# Altium PCB NixieClock.PcbDoc (part 1 of 2)
Units mm, origin at the board's own origin, x right, y up, seen from the top; angles counter-clockwise.
Board outline 200 x 75 mm, 2 copper layers (Top Layer, Bottom Layer); 186 components, 155 nets, 577 pads, 267 vias.
Unrouted connection lines stored in the file: 1.
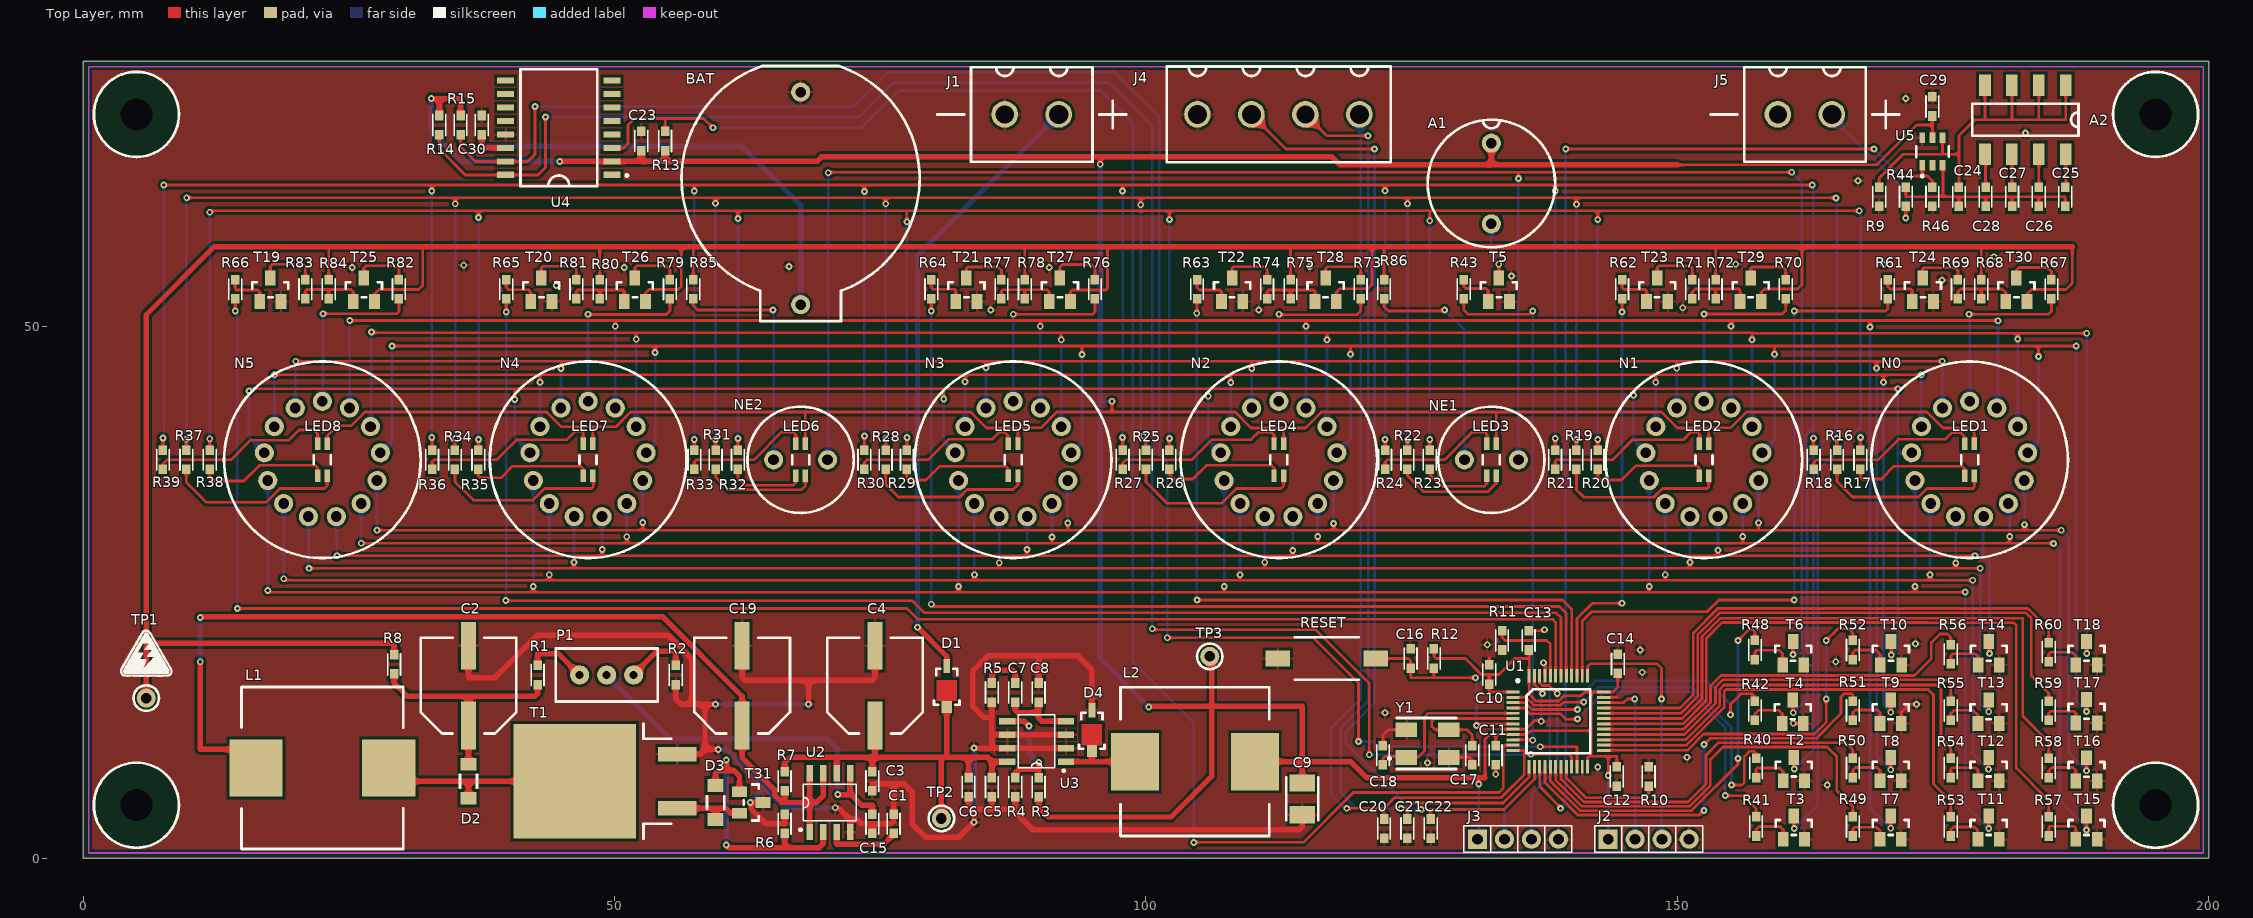
[diagram p0: Top Layer view]
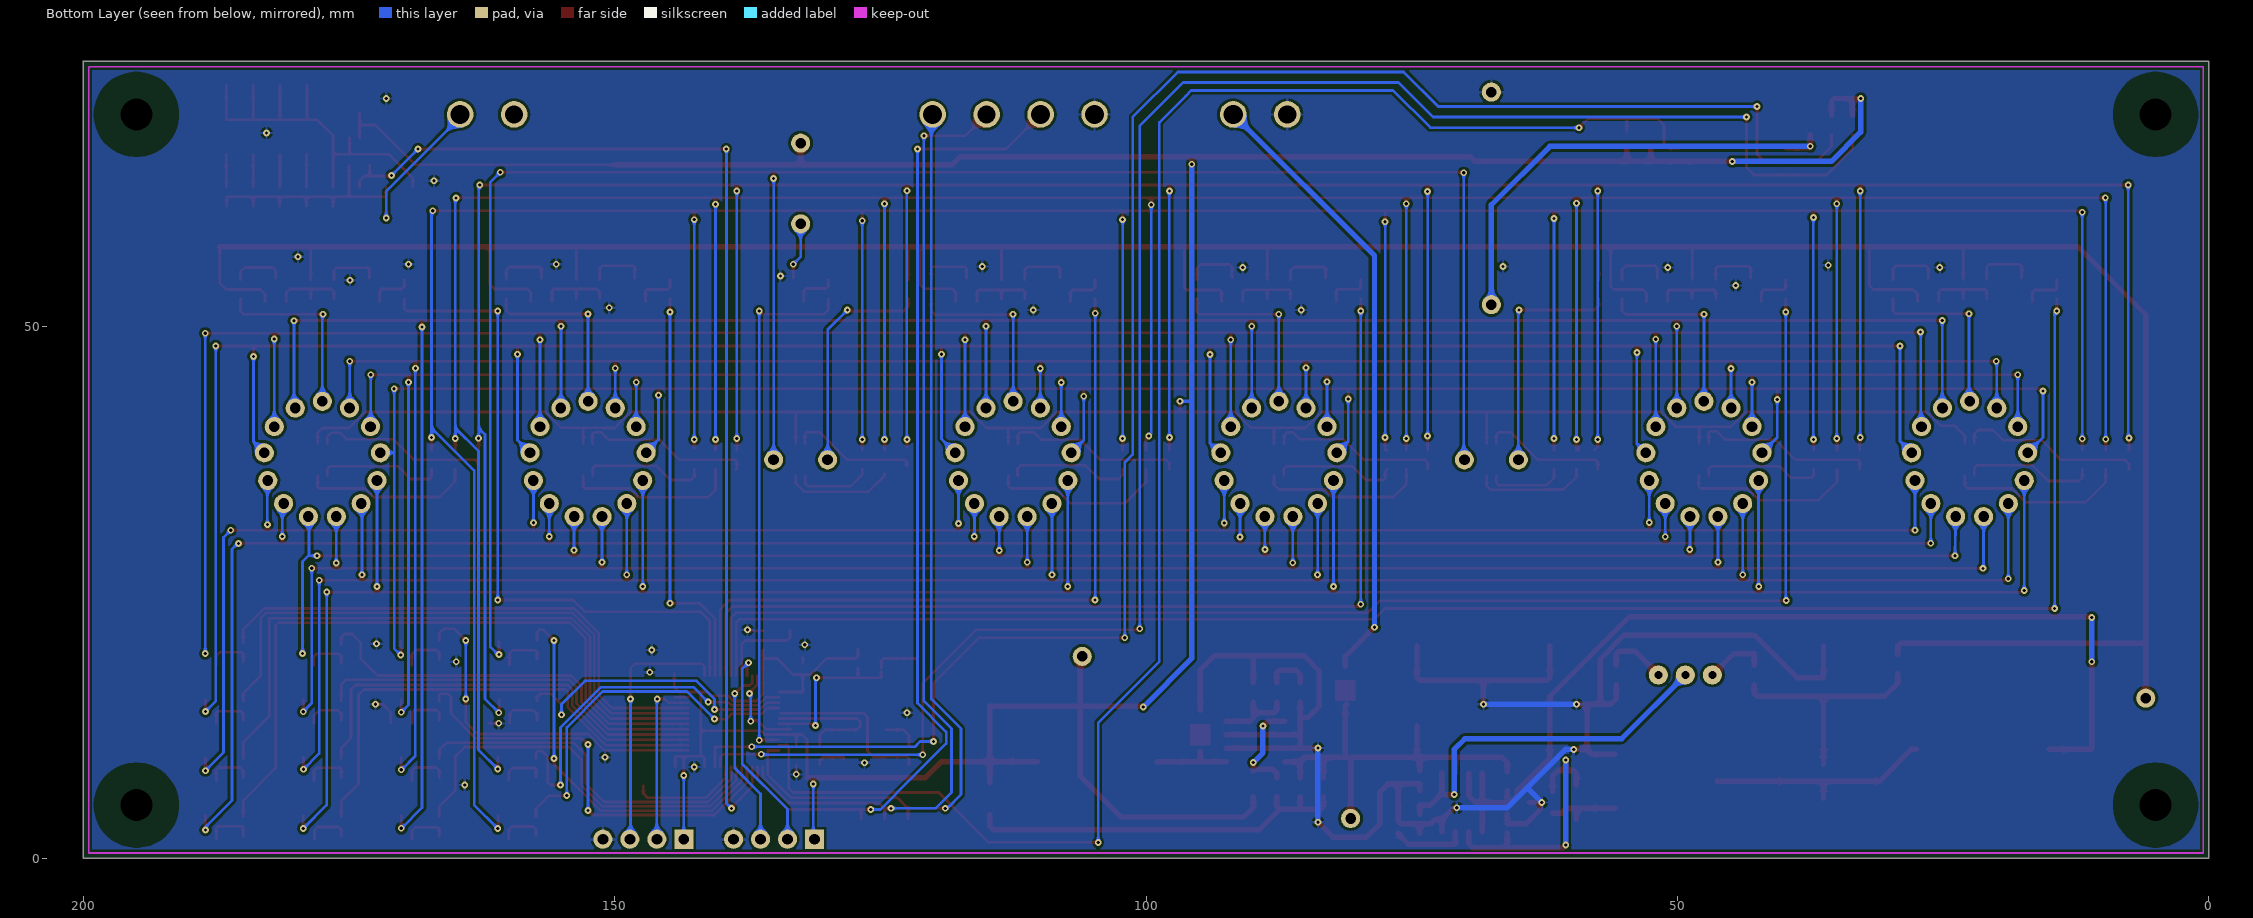
[diagram p1: Bottom Layer view, seen from below]
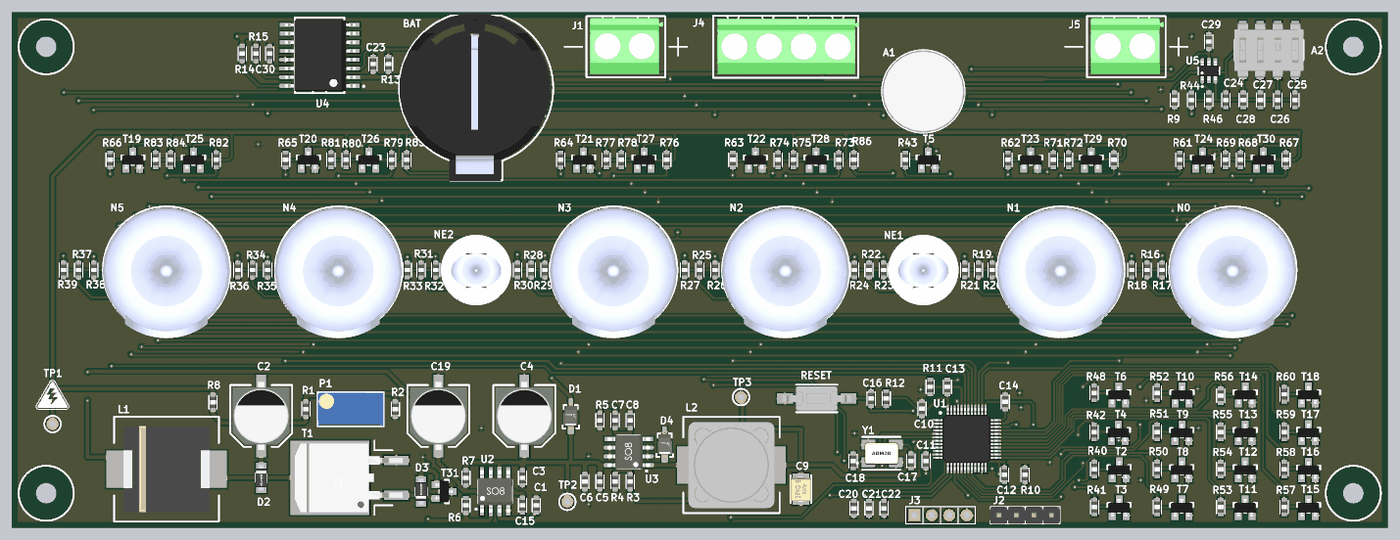
[diagram p3: 3D render of the assembled board from above, using the file's embedded part models]

## Layer stack, top to bottom
Top Solder: solder mask 0.0102, Solder Resist, Dk 3.5
Top Layer: signal copper 0.0356
Dielectric 1: dielectric 0.32, FR-4, Dk 4.8
Bottom Layer: signal copper 0.0356
Bottom Solder: solder mask 0.0102, Solder Resist, Dk 3.5

## Board outline
0,0 0,75 200,75 200,0

## Design rules (kind name [scope] priority, off if disabled: settings)
Clearance Polygon [InNamedPolygon('GND_T') Or  InNamedPolygon('GND_B')] p1: gap=0.254 ignorepadtopadclearanceinfootprint=FALSE
Clearance Clearance_2 [InNamedPolygon('GND_T')] p2: gap=0.254 ignorepadtopadclearanceinfootprint=FALSE except(0: Arc-Hole Track-Hole SMDPad-Hole THPad-Hole Via-Hole Fill-Hole Poly-Hole Region-Hole Text-Hole)
Clearance Clearance_1 [InNamedPolygon('GND_B')] p3: gap=0.254 ignorepadtopadclearanceinfootprint=FALSE except(0: Arc-Hole Track-Hole SMDPad-Hole THPad-Hole Via-Hole Fill-Hole Poly-Hole Region-Hole Text-Hole)
Clearance [All] p4: gap=0.152 ignorepadtopadclearanceinfootprint=FALSE except(0: Arc-Hole Track-Hole SMDPad-Hole THPad-Hole Via-Hole Fill-Hole Poly-Hole Region-Hole Text-Hole)
ComponentClearance [All] p1: gap=-0.254 collisioncheckmode=3 verticalgap=2540 showdistances=FALSE
Height [All] p1: minheight=0 maxheight=254 prefheight=12.7
HoleSize [All] p1: absolutevalues=TRUE maxlimit=5 minlimit=0.3 maxpercent=80.000 minpercent=20.000
PolygonConnect PolygonConnect_1 [All vs IsNamedPolygon('GND_T')] p1: connectstyle=Relief reliefconductorwidth=0.254 reliefentries=4 polygonreliefangle="90 Angle" airgapwidth=0.254
PolygonConnect [All] p2: connectstyle=Relief reliefconductorwidth=0.254 reliefentries=4 polygonreliefangle="90 Angle" airgapwidth=0.254
RoutingVias [All] p1: holewidth=0.305 width=0.635 viastyle="Through Hole" minholewidth=0.305 minwidth=0.635 maxholewidth=0.305 maxwidth=0.635
SolderMaskExpansion [All] p1: expansion=0.102
Width [All] p1: maxlimit=0.508 minlimit=0.152 preferedwidth=0.254 minimp=50.000000 maximp=50.000000 favimp=50.000000 checkconnectedcopper=TRUE
27 further rules are at their usual default settings.

## Classes and differential pairs
component class Sheet3: N0 N1 N2 N3 N4 N5 NE1 NE2 R48 R49 R50 R51 R52 R53 R54 R55 R56 R57 R58 R59 R60 R61 R62 R63 R64 R65 R66 R67 R68 R69 R70 R71 R72 R73 R74 R75 R76 R77 R78 R79 R80 R81 R82 R83 R84 R85 R86 T6 T7 T8 T9 T10 T11 T12 T13 T14 T15 T16 T17 T18 T19 T20 T21 T22 T23 T24 T25 T26 T27 T28 T29 T30
component class Sheet2: A1 A2 C20 C21 C22 C23 C24 C25 C26 C27 C28 C29 C30 J3 J4 J5 LED1 LED2 LED3 LED4 LED5 LED6 LED7 LED8 R9 R13 R14 R15 R16 R17 R18 R19 R20 R22 R23 R24 R25 R26 R27 R28 R29 R30 R31 R32 R33 R34 R35 R36 R37 R38 R39 R40 R41 R42 R43 R44 R46 T2 T3 T4 T5 U4
component class Sheet1: BAT C1 C2 C3 C4 C5 C6 C7 C8 C9 C10 C11 C12 C13 C14 C15 C16 C17 C18 C19 D1 D2 D3 D4 J1 J2 L1 L2 P1 R1 R2 R3 R4 R5 R6 R7 R8 R10 R11 R12 RESET T1 T31 TP1 TP2 TP3 U1 U2 U3 Y1

## Components (designator, comment, footprint, x,y, rotation, side; value= is the part's Value field where it differs from the comment)
A1 "BUZZER" BUZZER 132.5,63.5 r0 top
A2 "DIP-SWITCHx4" DIP-SWITCH-X4-J-BEND 182.75,69.5 r180 top
BAT "3V" HOLDER-2032 67.5,63.95 r270 top
C1 "1nF 16V C0G" 0603 76.25,3.25 r270 top
C2 "2.2uF  400V" CAP-SIZE-F 36.25,16.25 r180 top
C3 "100nF 16V C0G" 0603 74.25,7.25 r90 top
C4 "10uF  100V" CAP-SIZE-F 74.5,16.25 r180 top
C5 "100nF 16V Y5R" 0603 85.5,6.7 r90 top
C6 "10uF 16V Y5R" 0603 83.3,6.7 r90 top
C7 "15nF 16V Y5R" 0603 87.7,15.6 r270 top
C8 "100pF 16V C0G" 0603 89.9,15.6 r270 top
C9 "47uF  4V" AVX-B-CASE 114.7,5.6 r270 top
C10 "100nF 16V Y5R" 0603 132.3,17.3 r90 top
C11 "100nF 16V Y5R" 0603 132.9,9.7 r270 top
C12 "100nF 16V Y5R" 0603 144.3,7.7 r270 top
C13 "100nF 16V Y5R" 0603 136,20.5 r90 top
C14 "100nF 16V Y5R" 0603 144.4,18.3 r90 top
C15 "10nF 16V C0G" 0603 74.25,3.25 r90 top
C16 "1uF 16V Y5R" 0603 124.9,18.8 r270 top
C17 "20pF 16V C0G" 0603 130.7,9.7 r90 top
C18 "20pF 16V C0G" 0603 122.3,9.7 r270 top
C19 "220uF  50V" CAP-SIZE-F 62,16.25 r180 top
C20 "1uF 16V Y5R" 0603 122.4,2.8 r90 top
C21 "1uF 16V Y5R" 0603 124.6,2.8 r90 top
C22 "1uF 16V Y5R" 0603 126.8,2.8 r90 top
C23 "100nF 16V Y5R" 0603 52.5,67.5 r270 top
C24 "10nF 16V Y5R" 0603 176.5,62.25 r90 top
C25 "10nF 16V Y5R" 0603 186.5,62.25 r90 top
C26 "10nF 16V Y5R" 0603 184,62.25 r90 top
C27 "10nF 16V Y5R" 0603 181.5,62.25 r90 top
C28 "10nF 16V Y5R" 0603 179,62.25 r90 top
C29 "100nF 16V Y5R" 0603 174,70.75 r90 top
C30 "100nF 16V Y5R" 0603 37.5,69 r270 top
D1 "STPS1L20MF" DO-222AA 81.25,16.25 r270 top
D2 "US1GWF-7" SOD-123F 36.25,7.25 r270 top
D3 "BAV16W-7-F" SOD-123F 59.5,5.25 r90 top
D4 "STPS1L20MF" DO-222AA 94.9,12.1 r270 top
J1 "Vin" BORNERAX2 89.25,70 r180 top
J2 "JTAG" PIN-HEADERx4 147.3,1.8 r0 top
J3 "GPIO" PIN-HEADERx4- 135,1.8 r0 top
J4 "BUTTONS" BORNERAx4 112.46,70 r180 top
J5 "ELECTRODE" BORNERAx2 162,70 r180 top
L1 "220uH  20%" DRA127 22.5,8.5 r0 top
L2 "150uH  10%" SRR1240 104.6,9.1 r0 top
LED1 "RGB" 1205-RGB 177.5,37.5 r90 top
LED2 "RGB" 1205-RGB 152.5,37.5 r90 top
LED3 "RGB" 1205-RGB 132.5,37.5 r90 top
LED4 "RGB" 1205-RGB 112.5,37.5 r90 top
LED5 "RGB" 1205-RGB 87.5,37.5 r90 top
LED6 "RGB" 1205-RGB 67.5,37.5 r90 top
LED7 "RGB" 1205-RGB 47.5,37.5 r90 top
LED8 "RGB" 1205-RGB 22.5,37.5 r90 top
N0 "NIXIE-IN14" NIXIE_IN-14 177.5,37.5 r0 top locked
N1 "NIXIE-IN14" NIXIE_IN-14 152.5,37.5 r0 top locked
N2 "NIXIE-IN14" NIXIE_IN-14 112.5,37.5 r0 top locked
N3 "NIXIE-IN14" NIXIE_IN-14 87.5,37.5 r0 top locked
N4 "NIXIE-IN14" NIXIE_IN-14 47.5,37.5 r0 top locked
N5 "NIXIE-IN14" NIXIE_IN-14 22.5,37.5 r0 top locked
NE1 "NEON-LAMP" NIXIE_IN-3 132.5,37.5 r90 top locked
NE2 "NEON-LAMP" NIXIE_IN-3 67.5,37.5 r90 top locked
P1 "500Ω   25N" 3296W 49.25,17.25 r180 top
R1 "680KΩ   1%" 0603 42.75,17.25 r270 top
R2 "4.53KΩ   1%" 0603 55.75,17.25 r90 top
R3 "9.1KΩ   1%" 0603 89.9,6.7 r270 top
R4 "5.49KΩ   1%" 0603 87.7,6.7 r270 top
R5 "13KΩ   1%" 0603 85.5,15.6 r90 top
R6 "1KΩ   1%" 0603 66,3.25 r270 top
R7 "10mΩ   1%" 0603 66,7.25 r270 top
R8 "1Ω   1%" 0603 29.25,18.25 r90 top
R9 "1MΩ   1%" 0603 169,62.25 r270 top
R10 "10KΩ   1%" 0603 147.3,7.7 r270 top
R11 "10KΩ   1%" 0603 133.5,20.5 r90 top
R12 "10KΩ   1%" 0603 127.1,18.8 r90 top
R13 "4.7KΩ   1%" 0603 54.75,67.5 r270 top
R14 "4.7KΩ   1%" 0603 33.5,69 r90 top
R15 "4.7KΩ   1%" 0603 35.5,69 r90 top
R16 "400Ω   1%" 0603 165.025,37.5 r270 top
R17 "700Ω   1%" 0603 167.225,37.5 r270 top
R18 "175Ω   1%" 0603 162.825,37.5 r270 top
R19 "400Ω   1%" 0603 140.5,37.5 r270 top
R20 "700Ω   1%" 0603 142.5,37.5 r270 top
R21 "175Ω   1%" 0603 138.5,37.5 r270 top
R22 "400Ω   1%" 0603 124.6,37.5 r270 top
R23 "700Ω   1%" 0603 126.7,37.5 r270 top
R24 "175Ω   1%" 0603 122.5,37.5 r270 top
R25 "400Ω   1%" 0603 100,37.5 r270 top
R26 "700Ω   1%" 0603 102.2,37.5 r270 top
R27 "175Ω   1%" 0603 97.8,37.5 r270 top
R28 "400Ω   1%" 0603 75.5,37.5 r270 top
R29 "700Ω   1%" 0603 77.5,37.5 r270 top
R30 "175Ω   1%" 0603 73.5,37.5 r270 top
R31 "400Ω   1%" 0603 59.5,37.5 r270 top
R32 "700Ω   1%" 0603 61.6,37.5 r270 top
R33 "175Ω   1%" 0603 57.5,37.5 r270 top
R34 "400Ω   1%" 0603 34.975,37.5 r270 top
R35 "700Ω   1%" 0603 37.175,37.5 r270 top
R36 "175Ω   1%" 0603 32.825,37.5 r270 top
R37 "400Ω   1%" 0603 9.7,37.5 r270 top
R38 "700Ω   1%" 0603 11.9,37.5 r270 top
R39 "175Ω   1%" 0603 7.5,37.5 r270 top
R40 "33KΩ   1%" 0603 157.4,8.5 r270 top
R41 "33KΩ   1%" 0603 157.4,3 r270 top
R42 "33KΩ   1%" 0603 157.3,13.9 r270 top
R43 "33KΩ   1%" 0603 129.9,53.55 r270 top
R44 "10KΩ   1%" 0603 171.5,62.25 r90 top
R46 "10KΩ   1%" 0603 174,62.25 r90 top
R48 "33KΩ   1%" 0603 157.3,19.6 r270 top
R49 "33KΩ   1%" 0603 166.514,3 r270 top
R50 "33KΩ   1%" 0603 166.514,8.5 r270 top
R51 "33KΩ   1%" 0603 166.514,13.9 r270 top
R52 "33KΩ   1%" 0603 166.514,19.6 r270 top
R53 "33KΩ   1%" 0603 175.728,3 r270 top
R54 "33KΩ   1%" 0603 175.728,8.5 r270 top
R55 "33KΩ   1%" 0603 175.728,13.9 r270 top
R56 "33KΩ   1%" 0603 175.728,19.2 r270 top
R57 "33KΩ   1%" 0603 184.942,3 r270 top
R58 "33KΩ   1%" 0603 184.942,8.5 r270 top
R59 "33KΩ   1%" 0603 184.942,13.9 r270 top
R60 "33KΩ   1%" 0603 184.942,19.4 r270 top
R61 "33KΩ   1%" 0603 169.8,53.55 r90 top
R62 "33KΩ   1%" 0603 144.8,53.55 r270 top
R63 "33KΩ   1%" 0603 104.8,53.55 r270 top
R64 "33KΩ   1%" 0603 79.8,53.55 r90 top
R65 "33KΩ   1%" 0603 39.8,53.55 r270 top
R66 "33KΩ   1%" 0603 14.3,53.55 r270 top
R67 "10KΩ   1%" 0603 185.2,53.55 r90 top
R68 "100KΩ   1%" 0603 178.6,53.55 r90 top
R69 "470KΩ   1%" 0603 176.4,53.55 r270 top
R70 "10KΩ   1%" 0603 160.2,53.55 r90 top
R71 "470KΩ   1%" 0603 151.4,53.55 r270 top
R72 "100KΩ   1%" 0603 153.6,53.55 r90 top
R73 "10KΩ   1%" 0603 120.2,53.55 r90 top
R74 "470KΩ   1%" 0603 111.4,53.55 r270 top
R75 "100KΩ   1%" 0603 113.6,53.55 r90 top
R76 "10KΩ   1%" 0603 95.2,53.55 r90 top
R77 "470KΩ   1%" 0603 86.4,53.55 r270 top
R78 "100KΩ   1%" 0603 88.6,53.55 r90 top
R79 "10KΩ   1%" 0603 55.2,53.55 r90 top
R80 "100KΩ   1%" 0603 48.6,53.55 r90 top
R81 "470KΩ   1%" 0603 46.4,53.55 r270 top
R82 "10KΩ   1%" 0603 29.7,53.55 r90 top
R83 "470KΩ   1%" 0603 20.9,53.55 r270 top
R84 "100KΩ   1%" 0603 23.1,53.55 r90 top
R85 "100KΩ   1%" 0603 57.4,53.55 r90 top
R86 "100KΩ   1%" 0603 122.4,53.55 r90 top
RESET "RESET" FSMSM 117,18.8 r180 top
T1 "IRF644" TO263-3S 51.325,7.25 r90 top
T2 "PZTA42" SOT-23 160.958,8.4 r0 top
T3 "PZTA42" SOT-23 160.958,2.9 r0 top
T4 "PZTA42" SOT-23 160.858,13.8 r0 top
T5 "PZTA42" SOT-23 133.2,53.5 r0 top
T6 "PZTA42" SOT-23 160.9,19.3 r0 top
T7 "PZTA42" SOT-23 170.072,2.9 r0 top
T8 "PZTA42" SOT-23 170.072,8.4 r0 top
T9 "PZTA42" SOT-23 170.072,13.8 r0 top
T10 "PZTA42" SOT-23 170.1,19.3 r0 top
T11 "PZTA42" SOT-23 179.286,2.9 r0 top
T12 "PZTA42" SOT-23 179.286,8.4 r0 top
T13 "PZTA42" SOT-23 179.286,13.8 r0 top
T14 "PZTA42" SOT-23 179.3,19.3 r0 top
T15 "PZTA42" SOT-23 188.5,2.9 r0 top
T16 "PZTA42" SOT-23 188.5,8.367 r0 top
T17 "PZTA42" SOT-23 188.5,13.833 r0 top
T18 "PZTA42" SOT-23 188.5,19.3 r0 top
T19 "PZTA42" SOT-23 17.6,53.5 r0 top
T20 "PZTA42" SOT-23 43.1,53.5 r0 top
T21 "PZTA42" SOT-23 83.1,53.5 r0 top
T22 "PZTA42" SOT-23 108.1,53.5 r0 top
T23 "PZTA42" SOT-23 148.1,53.5 r0 top
T24 "PZTA42" SOT-23 173.1,53.5 r0 top
T25 "PZTA92" SOT-23 26.4,53.5 r0 top
T26 "PZTA92" SOT-23 51.9,53.5 r0 top
T27 "PZTA92" SOT-23 91.9,53.5 r0 top
T28 "PZTA92" SOT-23 116.9,53.5 r0 top
T29 "PZTA92" SOT-23 156.9,53.5 r0 top
T30 "PZTA92" SOT-23 181.9,53.5 r0 top
T31 "PZTA92" SOT-23 62.85,5.25 r270 top
TP1 "HV-TEST-POINT" Test_Point_HV 5.925,15.075 r0 top
TP2 "TEST-POINT" Test_Point 80.75,3.75 r0 top
TP3 "TEST-POINT" Test_Point 106,19 r0 top
U1 "STM32F103C8T6" LQFP48 138.8,12.9 r270 top
U2 "MC34063" SOIC-8 70.25,5.25 r0 top
U3 "A5972D" SOIC-8 89.7,11 r90 top
U4 "DS3231" SO16W 44.75,68.75 r90 top
U5 "AT42QT1012" SOT-23-6 174,66.5 r0 top
Y1 "ABM3B-8MHz" ABM3B 126.4,10.8 r0 top

## Footprints (in the part's own frame and the unit in brackets; to place one, negate y for a bottom-side part, rotate by r counter-clockwise, add the part's x,y. Pads: shape width x height; smd on the part's side, far side on the other; paste and mask are expansions set on the pad)
0603 [mm]
  rect 0.9x0.8 smd: 1(-0.9,0) 2(0.9,0)
  silkscreen extent -1,-0.6 1,0.6, body extent -0.8,-0.43 0.8,0.43, height 0.83
1205-RGB [mm]
  rect 1.2x0.5 smd: 1(-1.5,-0.45) 2(1.5,-0.45) 3(1.5,0.45) 4(-1.5,0.45)
  silkscreen extent -0.4,-0.8 0.4,0.8, body extent -1.59,-0.81 1.61,0.79, height 1.1
3296W [mm]
  round 1.8 hole 0.75: 1(-2.54,0) 2(0,0) 3(2.54,0)
  silkscreen extent -4.8,-2.5 4.8,2.5, body extent -4.76,-2.4 4.76,2.43, height 11.55
ABM3B [mm]
  rect 2x1.4 smd: 1(-1.9,-1.3) 2(2.1,1.3) 3(-1.9,1.3) 3(2.1,-1.3)
  silkscreen extent -3.6,-2.4 2.8,2.4, body extent -2.47,-1.63 2.53,1.57, height 1.2
AVX-B-CASE [mm]
  rect 1.6x2.4 smd: 1(1.5,0) 2(-1.5,0)
  silkscreen extent -2,-1.5 2,1.5, body extent -1.85,-1.47 1.85,1.47, height 2.03
BORNERAX2 [mm]
  round 2.5 hole 1.8: 1(-2.54,0)
  round 2.5 hole 1.7: 2(2.54,0)
  silkscreen extent -8.89,-4.45 8.89,4.45, body extent -5.4,-4.15 5.17,4, height 10
BORNERAx2 [mm]
  round 2.5 hole 1.8: 1(-2.54,0)
  round 2.5 hole 1.7: 2(2.54,0)
  silkscreen extent -8.89,-4.45 8.89,4.45, body extent -5.4,-4.15 5.17,4, height 10
BORNERAx4 [mm]
  round 2.5 hole 1.8: 1(-7.62,0) 3(2.54,0) 4(7.62,0)
  round 2.5 hole 1.7: 2(-2.54,0)
  silkscreen extent -10.58,-4.5 10.5,4.5, body extent -10.69,-4.1 9.89,4.05, height 10
BUZZER [mm]
  round 1.8 hole 1: 1(0,3.8) 2(0,-3.8)
  silkscreen extent -6,-6 6,6, body extent -5.99,-6 5.99,6, height 7.5
CAP-SIZE-F [mm]
  rect 1.4x4.5 smd: 1(0,-3.75) 2(0,3.75)
  silkscreen extent -4.5,-4.5 4.5,4.5, body extent -4.15,-4.95 4.15,4.95, height 10.21
DIP-SWITCH-X4-J-BEND [mm]
  rect 1.1x2 smd: 1(-3.81,-3.25) 2(-1.27,-3.25) 3(1.27,-3.25) 4(3.81,-3.25) 5(3.81,3.25) 6(1.27,3.25) 7(-1.27,3.25) 8(-3.81,3.25)
  silkscreen extent -5,-1.5 5,1.5, body extent -5.03,-3.93 5.03,3.93, height 3.4
DO-222AA [mm]
  rect 1.35x0.65 smd: 1(-1.84,0)
  rect 1.15x0.95 smd: 2(2,0)
  Top Layer region: -0.535,-0.975 1.465,-0.975 1.465,0.975 -0.535,0.975
  silkscreen extent -1.6,-1.2 1.8,1.2, body extent -1.9,-0.95 1.9,0.95, height 0.85
DRA127 [mm]
  rect 5x5.4 smd: 1(-6.25,0) 2(6.25,0)
  silkscreen extent -7.62,-7.62 7.62,7.62, body extent -6.25,-6.25 6.25,6.25, height 8
FSMSM [mm]
  rect 2.3x1.5 smd: 1(-4.6,0) 2(4.6,0)
  silkscreen extent -3,-2 3,2, body extent -4.98,-1.75 4.98,1.75, height 4.4
HOLDER-2032 [mm]
  round 1.8 hole 1: 1(11.85,0) 2(-8.15,0)
  silkscreen extent -10.61,-11.2 13.4,11.2, body extent -11,-11.2 13.5,10.8, height 8.5
LQFP48 [mm]
  rect 0.28x1.25 smd: 1(-2.75,-4.274) 2(-2.25,-4.274) 3(-1.75,-4.274) 4(-1.25,-4.274) 5(-0.75,-4.274) 6(-0.25,-4.274) 7(0.25,-4.274) 8(0.75,-4.274) 9(1.25,-4.274) 10(1.75,-4.274) 11(2.25,-4.274) 12(2.75,-4.274) 25(2.75,4.274) 26(2.25,4.274) 27(1.75,4.274) 28(1.25,4.274) 29(0.75,4.274) 30(0.25,4.274) 31(-0.25,4.274) 32(-0.75,4.274) 33(-1.25,4.274) 34(-1.75,4.274) 35(-2.25,4.274) 36(-2.75,4.274)
  rect 1.25x0.28 smd: 13(4.274,-2.75) 14(4.274,-2.25) 15(4.274,-1.75) 16(4.274,-1.25) 17(4.274,-0.75) 18(4.274,-0.25) 19(4.274,0.25) 20(4.274,0.75) 21(4.274,1.25) 22(4.274,1.75) 23(4.274,2.25) 24(4.274,2.75) 37(-4.274,2.75) 38(-4.274,2.25) 39(-4.274,1.75) 40(-4.274,1.25) 41(-4.274,0.75) 42(-4.274,0.25) 43(-4.274,-0.25) 44(-4.274,-0.75) 45(-4.274,-1.25) 46(-4.274,-1.75) 47(-4.274,-2.25) 48(-4.274,-2.75)
  silkscreen extent -3.94,-3.94 3,3, body extent -4.5,-4.5 4.5,4.5, height 1.6
NIXIE_IN-3 [mm]
  round 1.8 hole 1.02: 1(0,2.54) 2(0,-2.54)
  silkscreen extent -5,-5 5,5, body extent -5.08,-5 4.92,5, height 37.33
NIXIE_IN-14 [mm]
  round 1.8 hole 1: 1(0,5.5) 2(2.556,4.87) 3(4.527,3.124) 4(5.46,0.663) 5(5.142,-1.951) 6(3.647,-4.117) 7(1.316,-5.34) 8(-1.316,-5.34) 9(-3.647,-4.117) 10(-5.143,-1.95) 11(-5.46,0.663) 12(-4.526,3.124) 13(-2.556,4.87)
  silkscreen extent -9.25,-9.25 9.25,9.25, body extent -9.29,-9.91 9.21,9.09, height 70.15
PIN-HEADERx4 [mm]
  rect 1.8x1.8 hole 1.02: 1(-3.81,0)
  round 1.8 hole 1.02: 2(-1.27,0) 3(1.27,0) 4(3.81,0)
  silkscreen extent -5.08,-1.25 5.08,1.25, body extent -5.08,-1.27 5.08,1.27, height 8.77
PIN-HEADERx4- [mm]
  rect 1.8x1.8 hole 1.02: 1(-3.81,0)
  round 1.8 hole 1.02: 2(-1.27,0) 3(1.27,0) 4(3.81,0)
  silkscreen extent -5.08,-1.25 5.08,1.25
SO16W [mm]
  rect 0.6x1.6 smd: 1(-4.445,-5) 2(-3.175,-5) 3(-1.905,-5) 4(-0.635,-5) 5(0.635,-5) 6(1.905,-5) 7(3.175,-5) 8(4.445,-5) 9(4.445,5) 10(3.175,5) 11(1.905,5) 12(0.635,5) 13(-0.635,5) 14(-1.905,5) 15(-3.175,5) 16(-4.445,5)
  silkscreen extent -5.5,-6.5 5.5,3.6, body extent -5.16,-5.25 5.17,5.06, height 2.48
SOD-123F [mm]
  rect 1.2x1.5 smd: 1(1.6,0) 2(-1.6,0)
  silkscreen extent -0.6,-0.8 0.6,0.8, body extent -1.9,-0.85 1.85,0.85, height 1.2
SOIC-8 [mm]
  rect 0.6x1.52 smd: 1(-1.905,-2.76) 2(-0.635,-2.76) 3(0.635,-2.76) 4(1.905,-2.76) 5(1.905,2.76) 6(0.635,2.76) 7(-0.635,2.76) 8(-1.905,2.76)
  silkscreen extent -2.86,-2.66 2.5,1.7, body extent -2.5,-3.1 2.5,3.1, height 1.75
SOT-23 [mm]
  rect 1x1.4 smd: 1(-1,-1.1) 2(1,-1.1) 3(0,1.1)
  silkscreen extent -1.7,-0.7 1.7,0.7, body extent -1.5,-1.25 1.5,1.25, height 1.15
SOT-23-6 [mm]
  rect 0.55x1 smd: 1(-0.95,-1.3) 2(0,-1.3) 3(0.95,-1.3) 4(0.95,1.3) 5(0,1.3) 6(-0.95,1.3)
  silkscreen extent -1.52,-2.4 1.52,0.51, body extent -1.45,-1.4 1.45,1.4, height 1.45
SRR1240 [mm]
  rect 4.5x5.4 smd: 1(-5.65,0) 2(5.65,0)
  silkscreen extent -7,-7 7,7, body extent -6.25,-6.25 6.25,6.25, height 4
Test_Point [mm]
  round 1.8 hole 1: 1(0,0)
  silkscreen extent -1.2,-1.2 1.2,1.2
Test_Point_HV [mm]
  round 1.8 hole 1: 1(0,0)
  silkscreen extent -2.47,-1.2 2.46,6.44
TO263-3S [mm]
  rect 1.35x3.6 smd: 1(-2.54,-4.575) 2(2.54,-4.575)
  rect 10.8x11.5 smd: 3(0,5.075)
  silkscreen extent -5.4,-4 5.4,-1.4, body extent -5,-5.49 5,10.18, height 4.78

## Part data
BAT: library part BAT
C1 C3 C5 C6 C7 C8 C10 C11 C12 C13 C14 C15 C16 C17 C18 C20 C21 C22 C23 C24 C25 C26 C27 C28 C29 C30: library part CAP
C2 C4 C9 C19: library part CAP_pol
D1 D2 D3 D4: library part DIO
J4: library part BUTTONx3
L1 L2: library part IND
P1: library part POTE
R1 R2 R3 R4 R5 R6 R7 R8 R9 R10 R11 R12 R13 R14 R15 R16 R17 R18 R19 R20 R21 R22 R23 R24 R25 R26 R27 R28 R29 R30 R31 R32 R33 R34 R35 R36 R37 R38 R39 R40 R41 R42 R43 R44 R46 R48 R49 R50 R51 R52 R53 R54 R55 R56 R57 R58 R59 R60 R61 R62 R63 R64 R65 R66 R67 R68 R69 R70 R71 R72 R73 R74 R75 R76 R77 R78 R79 R80 R81 R82 R83 R84 R85 R86: library part RES
RESET: library part BUTTON
T1: library part N-MOS
T2 T3 T4 T5 T6 T7 T8 T9 T10 T11 T12 T13 T14 T15 T16 T17 T18 T19 T20 T21 T22 T23 T24: library part NPN
T25 T26 T27 T28 T29 T30 T31: library part PNP
Y1: library part Cristal

## Free pads (board coordinates)
  round 0 hole 3 unplated: 0(5,5) 0(5,70) 0(195,5) 0(195,70)

## Via types
v1: diameter 0.635, hole 0.305, Top Layer to Bottom Layer, tented both sides, 267 vias

## Nets (pads, with @x,y where several pads share a name; then routed paths per layer and width w, separated by ;. In a path a pad name is that pad's centre, name@x,y a point inside that pad or via, vN(x,y) a via of type N, cw(c..) or ccw(c..) an arc to the next point about the centre after c; other vN are vias at no path point)
3V: BAT.1 C30.2 U4.14 | length 45.1
  Top Layer w0.508: C30.2@37.5,68.1 v1(37.5,67) 37.655,66.845 U4.14@39.75,66.845
  Bottom Layer w0.508: v1(37.5,67) 62,67 67.5,61.5 BAT.1@67.5,52.1
3V3: A1.1 C9.2 C10.1 C11.1 C12.1 C13.1 C14.1 C23.2 C29.1 J2.1 J3.1 L2.2 LED1.2 LED2.2 LED3.2 LED4.2 LED5.2 LED6.2 LED7.2 LED8.2 R3.2 R12.2 R13.2 R14.2 R15.2 TP3.1 U1.1 U1.9 U1.24 U1.36 U1.48 U4.2 U5.5 | length 534.6
  Top Layer w0.254: LED8.2@22.95,39 22.95,39.75 23.9,40.7 25.2,40.7 26.5,42 43.6,42 44.994,40.606 50.106,40.606 51.5,42 68,42 ; LED7.2@47.95,39 47.95,40.6 ; LED6.2@67.95,39 67.95,41.95 68,42 ; LED5.2@87.95,39 87.95,40.463 87.994,40.506 ; 95.7,65.7 96,66 ; v1(96.8,43) 96.8,42 ; LED4.2@112.95,39 112.95,40.45 112.9,40.5 ; R12.2@127.1,19.7 127.1,19 127.3,18.8 130.044,18.8 131.544,17.3 132.3,17.3 ; v1(131.3,7) 131.3,7.6 ; 131.9,7.6 131.9,11.2 132.35,11.65 132.9,11.65 ; C11.1@132.9,10.6 132.9,11.65 ; LED3.2@132.95,39 132.95,41.95 133,42 ; U1.1@134.526,15.65 132.3,15.65 C10.1@132.3,16.4 132.3,17.3 ; 136,18.8 134.7,18.8 133.2,17.3 132.3,17.3 ; C13.1@136,19.6 136.05,19.55 136.05,15.45 136.687,14.813 138.857,14.813 139.297,15.253 139.297,15.275 139.319,15.297 140.947,15.297 141.3,15.65 141.9,15.65 ; U1.24@141.55,8.626 141.55,9.45 141.7,9.6 141.9,9.6 ; v1(143.5,7.8) 143.5,9.6 ; C12.1@144.3,8.6 144.3,9.6 143.5,9.6 ; C14.1@144.4,17.4 144.4,16.1 143.95,15.65 141.9,15.65 ; 150,65.25 168.75,65.25 172.5,69 174,69 ; LED2.2@152.95,39 152.95,40.394 153.063,40.506 ; U5.5@174,67.8 174,69 ; C29.1@174,70.1 C29.1@174,69.85 174,69 ; LED1.2@177.95,39 177.95,40.03 177.48,40.5 175,40.5 173.5,42 156.487,42 154.994,40.506 153.063,40.506 ; 68,42 83.5,42 85,40.5 86.025,40.5 86.032,40.506 87.994,40.506 ; 87.994,40.506 90.106,40.506 91.6,42 96.8,42 ; 96.8,42 108.4,42 109.9,40.5 112.9,40.5 ; 112.9,40.5 115,40.5 116.5,42 133,42 ; 132.9,11.65 135.85,11.65 136.2,12 141.9,12 ; 133,42 148.5,42 150,40.5 151.125,40.5 151.132,40.506 153.063,40.506 ; 141.9,9.6 141.9,12 ; 141.9,9.6 143.5,9.6 ; 141.9,12 141.9,15.65
  Top Layer w0.508: v1(32.75,71.5) 33.5,71.5 ; R14.2@33.5,69.9 33.5,71.5 ; R15.2@35.5,69.9 35.5,71.25 35.25,71.5 33.5,71.5 ; v1(44.825,65.575) U4.2@49.75,65.575 52.5,65.575 ; C23.2@52.5,66.6 52.5,65.575 ; R13.2@54.75,66.6 54.75,65.575 ; R3.2@89.9,5.8 89.9,4.8 90.815,3.885 102.36,3.885 106.2,7.725 106.2,14.325 ; v1(95.7,65.3) 95.7,65.7 ; v1(100.25,14.25) 100.325,14.325 106.2,14.325 ; TP3.1@106,19 106.2,18.8 106.2,14.5 ; L2.2@110.25,9.1 114.7,9.1 ; C9.2@114.7,7.1 114.7,9.1 ; 131.9,7.6 131.3,7.6 120.75,7.6 119.25,9.1 114.7,9.1 ; A1.1@132.5,67.3 132.5,65.25 ; 150,65.25 132.5,65.25 ; 52.5,65.575 54.75,65.575 ; 54.75,65.575 69.025,65.575 69.45,66 95,66 96,66 117.5,66 118.25,65.25 132.5,65.25 ; 106.2,14.325 106.2,14.5 ; 106.2,14.5 106.375,14.325 114.7,14.325 114.7,9.1
  Bottom Layer w0.254: 95.7,43 v1(96.8,43) ; J3.1@131.19,1.8 131.3,1.91 v1(131.3,7) ; J2.1@143.49,1.9 143.5,1.91 v1(143.5,7.8)
  Bottom Layer w0.508: v1(32.75,71.5) 32.75,68.325 35.5,65.575 v1(44.825,65.575) ; v1(95.7,65.3) 95.7,43 95.7,18.8 v1(100.25,14.25)
12V: C3.2 C4.2 C5.2 C6.2 D1.2 R7.1 TP2.1 U2.6 U3.8 | length 42.2
  Top Layer w0.508: R7.1@66,8.15 66,9 66.5,9.5 71,9.5 ; U2.6@70.885,8.01 70.885,9.385 71,9.5 ; C3.2@74.25,8.25 74.25,9.5 ; C4.2@74.5,12.5 74.5,9.75 74.25,9.5 ; TP2.1@80.75,3.75 80.75,9.25 81,9.5 81.25,9.5 ; 80.845,9.5 76.25,9.5 74.25,9.5 ; D1.2@81.1,14.5 81.25,14.35 D1.2@81.25,14.25 81.25,9.5 ; C6.2@83.3,7.6 83.3,9.5 ; C5.2@85.5,7.6 85.5,9.095 ; U3.8@86.94,9.095 85.5,9.095 ; 71,9.5 74.25,9.5 ; 81.25,9.5 83.3,9.5 ; 83.3,9.5 85.095,9.5 85.5,9.095
180V: R8.2 R68.2 R72.2 R75.2 R78.2 R80.2 R84.2 R85.2 R86.2 T25.2 T26.2 T27.2 T28.2 T29.2 T30.2 TP1.1 | length 320.2
  Top Layer w0.254: R84.2@23.1,54.45 23.1,57.525 ; T25.2@27.4,52.4 27.4,53.1 27.825,53.525 31.55,53.525 31.95,53.925 31.95,57.525 ; R80.2@48.6,54.45 48.6,57.55 ; T26.2@52.9,52.4 52.9,53.175 53.25,53.525 55.975,53.525 56.275,53.825 56.275,57.55 ; R85.2@57.4,54.45 57.4,57.5 57.45,57.55 ; R78.2@88.6,54.45 88.6,57.475 ; T27.2@92.9,52.4 92.9,53.325 93.05,53.475 96.2,53.475 96.375,53.65 96.375,57.525 ; 113.525,57.55 113.6,57.475 R75.2@113.6,54.45 ; T28.2@117.9,52.4 117.9,53.25 118.25,53.6 120.9,53.6 121.275,53.975 121.275,57.55 ; R86.2@122.4,54.45 122.4,57.475 ; R72.2@153.6,54.45 153.6,57.5 ; T29.2@157.9,52.4 157.9,53.275 158.2,53.575 161.325,53.575 161.725,53.975 161.725,57.55 ; R68.2@178.6,54.45 178.6,57.525 ; T30.2@182.9,52.4 182.9,53.1 183.325,53.525 186.575,53.525 187.15,54.1 187.15,57.55
  Top Layer w0.508: TP1.1@6,15 TP1.1@5.925,15.075 5.925,20.5 ; 8.75,20.25 6.175,20.25 5.925,20.5 ; 8.8,20.25 29,20.25 29.25,20 R8.2@29.25,19.15 ; 187.15,57.55 161.725,57.55 121.275,57.55 113.525,57.55 57.45,57.55 56.275,57.55 12.325,57.55 5.925,51.15 5.925,20.5
A0: N0.1 R67.1 | length 17.3
  Top Layer w0.254: v1(177.45,51.2) 184.925,51.2 185.2,51.475 R67.1@185.2,52.65
  Bottom Layer w0.254: v1(177.45,51.2) 177.5,51.15 N0.1@177.5,43
A1: N1.1 R70.1 | length 17.2
  Top Layer w0.254: v1(152.5,51.225) 159.875,51.225 160.2,51.55 R70.1@160.2,52.65
  Bottom Layer w0.254: N1.1@152.5,43 v1(152.5,51.225)
A2: N2.1 R73.1 | length 17.2
  Top Layer w0.254: v1(112.505,51.202) 112.55,51.158 119.858,51.158 120.2,51.5 R73.1@120.2,52.65
  Bottom Layer w0.254: N2.1@112.5,43 112.5,51.197 v1(112.505,51.202)
A3: N3.1 R76.1 | length 17.2
  Top Layer w0.254: v1(87.5,51.2) 95,51.2 95.2,51.4 R76.1@95.2,52.65
  Bottom Layer w0.254: N3.1@87.5,43 v1(87.5,51.2)
A4: N4.1 R79.1 | length 17.2
  Top Layer w0.254: v1(47.502,51.202) 47.525,51.18 54.855,51.18 55.2,51.525 R79.1@55.2,52.65
  Bottom Layer w0.254: N4.1@47.5,43 47.5,51.2 v1(47.502,51.202)
A5: N5.1 R82.1 | length 16.7
  Top Layer w0.254: v1(22.55,51.25) 29.5,51.25 29.7,51.45 R82.1@29.7,52.65
  Bottom Layer w0.254: N5.1@22.5,43 22.55,43.05 v1(22.55,51.25)
ALARM: R13.1 U1.11 U4.3 | length 161.7
  Top Layer w0.254: U4.3@49.75,66.845 50.845,66.845 51.25,67.25 51.25,69 51.875,69.625 54.625,69.625 ; R13.1@54.75,68.4 54.75,69.5 54.625,69.625 ; v1(59.25,68.75) 58.375,69.625 54.625,69.625 ; v1(104.5,1.5) 114.8,1.5 119.5,6.2 133.2,6.2 133.622,6.622 133.622,10.522 133.75,10.65 U1.11@134.526,10.65
  Bottom Layer w0.254: v1(59.25,68.75) 73.25,68.75 76.75,72.25 95.75,72.25 96.25,71.75 98.75,69.25 98.75,18.5 104.5,12.75 v1(104.5,1.5)
B-: A1.2 T5.3 | length 5.4
  Top Layer w0.254: T5.3@133.2,54.6 v1(133.2,55.9)
  Bottom Layer w0.254: A1.2@132.5,59.7 132.5,56.6 v1(133.2,55.9)
B_1: C20.2 J4.1 U1.12 | length 89.6
  Top Layer w0.254: v1(118.9,4.7) 122.4,4.7 ; C20.2@122.4,3.7 122.4,4.7 ; U1.12@134.526,10.15 135.6,10.15 135.6,7.9 133.4,5.7 123.4,5.7 122.4,4.7
  Bottom Layer w0.254: v1(118.9,4.7) 118.7,4.7 117.4,6 117.4,12.2 120.2,15 J4.1@120.2,70.1
B_2: C21.2 J4.2 U1.13 | length 91.2
  Top Layer w0.254: J4.2@115,70 117,68 v1(120.9,68) ; v1(124,4.7) 124.6,4.7 ; C21.2@124.6,3.7 124.6,4.7 ; U1.13@136.05,8.626 136.05,7.65 133.606,5.206 125.106,5.206 124.6,4.7
  Bottom Layer w0.254: v1(120.9,68) 120.9,14.8 118.306,12.206 118.306,6.194 119.8,4.7 v1(124,4.7)
B_3: C22.2 J4.3 U1.14 | length 93.6
  Top Layer w0.254: J4.3@109.92,70 113.17,66.75 v1(121.5,66.75) ; v1(125.9,4.6) 133.7,4.6 136.55,7.45 U1.14@136.55,8.626 ; C22.2@126.8,3.7 126.8,4.6
  Bottom Layer w0.254: v1(121.5,66.75) 121.5,14.6 118.803,11.903 118.803,10.797 122,7.6 125,4.6 v1(125.9,4.6)
B_SENSE: R46.2 U1.15 U5.1 | length 104.3
  Top Layer w0.254: U1.15@137.05,8.626 137.05,6.75 139,4.8 v1(139,4.7) ; v1(139.5,66.75) v1(168.5,66.75) ; v1(171,64.25) 171.05,64.2 173.05,64.2 ; U5.1@173.05,65.2 173.05,64.2 ; R46.2@174,63.15 174,63.75 173.55,64.2 173.05,64.2
  Bottom Layer w0.254: v1(139,4.7) 139.472,5.172 139.472,66.722 v1(139.5,66.75) ; v1(168.5,66.75) v1(171,64.25)
BLUE: R42.1 U1.3 | length 28.6
  Top Layer w0.254: U1.3@134.526,14.65 135.675,14.65 136.325,14 v1(140.6,14) ; v1(155,13.5) 155,14.5 155.5,15 155.513,15 156,15.487 157,15.487 157.3,15.187 R42.1@157.3,14.8
  Bottom Layer w0.254: v1(140.6,14) 140.6,15 142.3,16.7 152.8,16.7 155,14.5 v1(155,13.5)
BOOT0: R11.2 U1.44 | length 8.4
  Top Layer w0.254: R11.2@133.5,21.4 133.5,20.8 133.8,20.5 137.7,20.5 138.05,20.15 U1.44@138.05,17.174
BOOT1: R10.2 U1.20 | length 10.5
  Top Layer w0.254: U1.20@139.55,8.626 139.55,7.55 141.4,5.7 146.9,5.7 147.3,6.1 R10.2@147.3,6.8
BUZZER: R43.2 U1.10 | length 50.1
  Top Layer w0.254: R43.2@129.9,52.65 129.9,51.6 130.3,51.2 136.1,51.2 v1(136.4,51.5) ; U1.10@134.526,11.15 136.35,11.15 v1(136.4,11.1)
  Bottom Layer w0.254: v1(136.4,11.1) v1(136.4,51.5)
CP: C7.2 C8.2 U3.4 | length 7.3
  Top Layer w0.508: C7.2@87.7,14.7 87.7,13.925 87.925,13.7 89.9,13.7 ; C8.2@89.9,14.7 89.9,13.7 ; U3.4@92.46,12.905 90.195,12.905 89.9,13.2 89.9,13.7
D0: N0.12 N1.12 N2.12 N3.12 N4.12 N5.12 T9.3 | length 217.5
  Top Layer w0.254: v1(17.975,45.5) 42.975,45.5 42.974,45.499 ; v1(42.974,44.799) 42.974,45.499 ; v1(82.974,44.849) 83,44.875 83,45.499 ; v1(107.98,44.777) 107.98,45.479 108,45.499 ; v1(147.974,44.799) 147.974,45.45 147.925,45.499 ; v1(169.4,44.8) 169.4,45.499 ; v1(170.072,13.747) T9.3@170.072,14.9 ; v1(172.951,45.499) 169.4,45.499 ; 42.974,45.499 83,45.499 ; 83,45.499 108,45.499 ; 108,45.499 147.925,45.499 ; 147.925,45.499 169.4,45.499
  Bottom Layer w0.254: N5.12@17.974,40.624 17.975,40.626 v1(17.975,45.5) ; N4.12@42.974,40.624 v1(42.974,44.799) ; N3.12@82.974,40.624 v1(82.974,44.849) ; N2.12@107.974,40.624 107.974,44.771 v1(107.98,44.777) ; N1.12@147.974,40.624 v1(147.974,44.799) ; v1(169.4,44.8) 169.4,14.419 v1(170.072,13.747) ; v1(172.951,45.499) 172.951,40.647 N0.12@172.974,40.624
D1: N0.3 N1.3 N2.3 N3.3 N4.3 N5.3 T18.3 | length 246.1
  Top Layer w0.254: v1(27.125,49.525) 27.125,49.375 27.175,49.425 27.141,49.459 117.05,49.459 ; v1(52.027,48.852) 52.027,49.436 ; 91.998,49.437 91.998,48.802 v1(92.029,48.802) ; v1(117.031,48.802) 117.031,49.44 117.05,49.459 ; v1(157.033,48.802) 157.03,48.8 157.03,49.44 157.05,49.459 ; N0.3@182.027,40.624 N0.3@182.101,40.55 ; v1(182.027,48.873) 182,48.9 182,49.4 ; v1(188.525,19.275) T18.3@188.525,20.375 ; v1(188.525,49.4) 182,49.4 ; 117.05,49.459 157.05,49.459 ; 157.05,49.459 157.109,49.4 182,49.4
  Bottom Layer w0.254: N5.3@27.102,40.649 v1@27.102,49.55 ; N4.3@52.027,40.624 v1(52.027,48.852) ; N3.3@92.027,40.624 92.027,48.799 v1(92.029,48.802) ; N2.3@117.027,40.624 117.027,48.798 v1(117.031,48.802) ; N1.3@157.027,40.624 157.027,48.796 v1(157.033,48.802) ; v1(182.027,48.873) N0.3@182.027,40.624 N0.3@182.091,40.688 ; v1(188.525,19.275) v1(188.525,49.4)
D2: N0.4 N1.4 N2.4 N3.4 N4.4 N5.4 T17.3 | length 257.3
  Top Layer w0.254: v1(29.05,48.2) 53.8,48.2 ; v1(53.8,47.6) 53.8,48.2 ; v1(93.975,47.4) 93.975,48.175 ; v1(119.25,47.425) 119.25,48.175 119.225,48.2 ; v1(159.15,47.425) 159.15,48.175 159.125,48.2 ; v1(183.975,47.225) 183.975,48.2 ; v1(187.525,48.2) 183.975,48.2 ; v1(188.5,13.825) T17.3@188.5,14.933 ; 53.8,48.2 119.225,48.2 ; 119.225,48.2 159.125,48.2 ; 159.125,48.2 183.975,48.2
  Bottom Layer w0.254: N5.4@27.96,38.163 29.05,39.253 v1(29.05,48.2) ; N4.4@52.96,38.163 53.825,39.028 53.825,47.575 v1(53.8,47.6) ; N3.4@92.96,38.235 N3.4@93.088,38.235 ; N3.4@93.088,38.163 93.975,39.05 v1(93.975,47.4) ; N2.4@117.96,38.163 119.25,39.453 v1(119.25,47.425) ; N1.4@157.96,38.163 159.15,39.353 v1(159.15,47.425) ; N0.4@182.96,38.163 183.975,39.178 v1(183.975,47.225) ; v1(187.525,48.2) 187.525,14.8 v1(188.5,13.825)
D3: N0.5 N1.5 N2.5 N3.5 N4.5 N5.5 T16.3 | length 211.4
  Top Layer w0.254: v1(27.65,30.875) 52.642,30.875 ; v1(52.642,31.6) 52.642,30.875 ; v1(92.642,31.542) 92.642,30.883 92.65,30.875 ; v1(117.642,31.508) 117.675,31.475 117.675,30.875 ; v1(157.642,31.583) 157.642,30.883 157.65,30.875 ; v1(182.675,31.4) 182.675,30.875 ; v1(186.125,30.875) 182.675,30.875 ; v1(188.5,8.25) T16.3@188.5,9.467 ; 52.642,30.875 92.65,30.875 ; 92.65,30.875 117.675,30.875 ; 117.675,30.875 157.65,30.875 ; 157.65,30.875 182.675,30.875
  Bottom Layer w0.254: N5.5@27.642,35.549 27.642,30.883 v1(27.65,30.875) ; v1(52.642,31.6) N4.5@52.642,35.549 ; v1(92.642,31.542) N3.5@92.642,35.549 ; v1(117.642,31.508) N2.5@117.642,35.549 ; v1(157.642,31.583) N1.5@157.642,35.549 ; N0.5@182.642,35.549 182.675,35.517 v1(182.675,31.4) ; v1(186.125,30.875) 186.8,30.2 186.8,9.95 v1(188.5,8.25)
D4: N0.6 N1.6 N2.6 N3.6 N4.6 N5.6 T15.3 | length 211.4
  Top Layer w0.254: v1(26.147,29.653) 51.147,29.653 ; v1(51.147,30.25) 51.147,29.653 ; v1(91.147,30.228) 91.147,29.675 91.125,29.653 ; v1(116.156,30.276) 116.175,30.296 116.175,29.678 116.15,29.653 ; 156.147,29.7 v1(156.147,30.278) ; 181.275,29.653 116.15,29.653 ; v1(181.275,30.276) 181.275,29.65 185.375,29.65 v1(185.4,29.625) ; v1(188.5,2.675) 188.5,3.95 188.525,3.975 T15.3@188.5,4 ; 51.147,29.653 91.125,29.653 ; 91.125,29.653 116.15,29.653
  Bottom Layer w0.254: v1(26.147,29.653) N5.6@26.147,33.383 ; v1(51.147,30.25) N4.6@51.147,33.383 ; v1(91.147,30.228) N3.6@91.147,33.383 ; N2.6@116.147,33.383 116.147,30.285 v1(116.156,30.276) ; v1(156.147,30.278) N1.6@156.147,33.383 ; N0.6@181.147,33.383 181.275,33.255 v1(181.275,30.276) v1@181.275,30.285 ; v1(185.4,29.625) 185.475,29.625 186,29.1 186,5.45 188.5,2.95 v1(188.5,2.675)
D5: N0.7 N1.7 N2.7 N3.7 N4.7 N5.7 T14.3 | length 187.9
  Top Layer w0.254: v1(23.866,28.466) 48.825,28.466 ; v1(48.827,29.051) 48.827,29.075 48.825,29.075 48.825,28.466 ; v1(88.804,29.051) 88.924,29.051 88.8,28.928 88.8,28.466 ; v1(113.8,28.971) 113.8,28.466 ; v1(153.816,28.984) 153.825,28.975 153.825,28.466 ; v1(178,28.466) 153.825,28.466 ; T14.3@179.3,20.4 179.366,20.334 v1(179.366,19.266) ; 48.825,28.466 88.8,28.466 ; 88.8,28.466 113.8,28.466 ; 113.8,28.466 153.825,28.466
  Bottom Layer w0.254: N5.7@23.816,32.16 v1(23.866,28.466) ; N4.7@48.816,32.16 48.816,29.051 v1(48.827,29.051) ; v1(88.804,29.051) 88.816,29.063 N3.7@88.816,32.16 ; v1(113.8,28.971) 113.816,28.987 N2.7@113.816,32.16 ; v1(153.816,28.984) N1.7@153.816,32.16 ; v1(178,28.466) 178.834,28.466 179.366,27.934 v1(179.366,19.266) ; 178.766,28.532 178.766,32.11 N0.7@178.816,32.16
D6: N0.8 N1.8 N2.8 N3.8 N4.8 N5.8 T13.3 | length 201.6
  Top Layer w0.254: v1(21.241,27.284) 46.175,27.284 ; v1(46.177,27.851) 46.175,27.851 46.175,27.284 ; v1(86.184,27.816) 86.184,27.292 86.175,27.284 ; v1(111.18,27.851) 111.179,27.85 111.179,27.33 111.225,27.284 ; v1(151.182,27.851) 151.249,27.851 151.175,27.778 151.175,27.284 ; v1(176.2,27.8) 176.2,27.284 ; v1(178.5,27.3) 178.484,27.284 176.2,27.284 ; T13.3@179.286,14.9 179.286,13.814 v1(179.3,13.8) ; 46.175,27.284 86.175,27.284 ; 86.175,27.284 111.225,27.284 ; 111.225,27.284 151.175,27.284 ; 151.175,27.284 176.2,27.284
  Bottom Layer w0.254: N5.8@21.184,32.16 21.184,27.384 v1(21.241,27.284) ; v1(46.177,27.851) 46.184,27.851 N4.8@46.184,32.16 ; v1(86.184,27.816) N3.8@86.184,32.16 ; v1(111.18,27.851) 111.184,27.855 N2.8@111.184,32.16 ; v1(151.182,27.851) 151.184,27.853 N1.8@151.184,32.16 ; N0.8@176.184,32.16 176.2,32.144 v1(176.2,27.8) ; v1(178.5,27.3) 178.5,14.6 v1(179.3,13.8)
D7: N0.9 N1.9 N2.9 N3.9 N4.9 N5.9 T12.3 | length 222.4
  Top Layer w0.254: v1(18.853,26.303) 18.98,26.175 43.852,26.175 ; v1(43.852,26.676) 43.852,26.175 ; N3.9@83.633,32.808 N3.9@83.633,33.383 ; v1(83.854,26.676) 83.875,26.676 83.875,26.175 ; v1(108.855,26.676) 108.832,26.7 108.832,26.193 108.85,26.175 ; v1(148.857,26.676) 148.857,26.193 148.875,26.175 ; v1(173.783,26.676) 173.775,26.668 173.775,26.175 ; v1(177.8,26.175) 173.775,26.175 ; v1(179.275,8.375) 179.275,9.489 T12.3@179.286,9.5 ; 43.852,26.175 83.875,26.175 ; 83.875,26.175 108.85,26.175 ; 108.85,26.175 148.875,26.175 ; 148.875,26.175 173.775,26.175
  Bottom Layer w0.254: v1(18.853,26.303) N5.9@18.853,33.383 ; v1(43.852,26.676) N4.9@43.853,33.383 ; N3.9@83.853,33.383 v1(83.854,26.676) v1(83.854,26.676) ; N2.9@108.853,33.383 108.853,26.679 v1(108.855,26.676) ; N1.9@148.853,33.383 148.853,26.681 v1(148.857,26.676) ; v1(173.783,26.676) 173.775,26.685 173.775,33.306 N0.9@173.853,33.383 ; v1(177.8,26.175) 177.8,9.85 v1(179.275,8.375)
D8: N0.10 N1.10 N2.10 N3.10 N4.10 N5.10 T11.3 | length 247.1
  Top Layer w0.254: v1(17.357,25.207) 17.393,25.207 17.575,25.025 17.65,25.1 17.7,25.05 42.35,25.05 ; v1(42.352,25.576) 42.35,25.576 42.35,25.05 ; v1(82.357,25.575) 82.357,25.05 ; v1(107.355,25.576) 107.355,25.07 107.375,25.05 ; v1(147.357,25.576) 147.35,25.583 147.35,25.075 147.375,25.05 ; v1(172.358,25.576) 172.35,25.568 172.35,25.05 ; v1(177.1,25.05) 172.35,25.05 ; T11.3@179.286,4 179.3,3.986 v1(179.3,2.8) ; 42.35,25.05 82.357,25.05 ; 82.357,25.05 107.375,25.05 ; 107.375,25.05 147.375,25.05 ; 147.375,25.05 172.35,25.05
  Bottom Layer w0.254: v1(17.357,25.207) N5.10@17.357,35.55 ; v1(42.352,25.576) 42.357,25.576 N4.10@42.357,35.55 ; v1(82.357,25.575) N3.10@82.357,35.55 ; v1(107.355,25.576) 107.357,25.578 N2.10@107.357,35.55 ; v1(147.357,25.576) N1.10@147.357,35.55 ; N0.10@172.357,35.55 172.357,25.577 v1(172.358,25.576) ; v1(177.1,25.05) 177.1,5 v1(179.3,2.8)